# Altium PCB C210_220601.PcbDoc (part 4 of 7)
Units mm, origin at the board's own origin, x right, y up, seen from the top; angles counter-clockwise.
Board outline 68 x 129.5 mm, 6 copper layers (L1, L2, L3, L4, L5, L6), stack 1.64 mm thick; 493 components, 295 nets, 1739 pads, 1829 vias.
Unrouted connection lines stored in the file: 306.
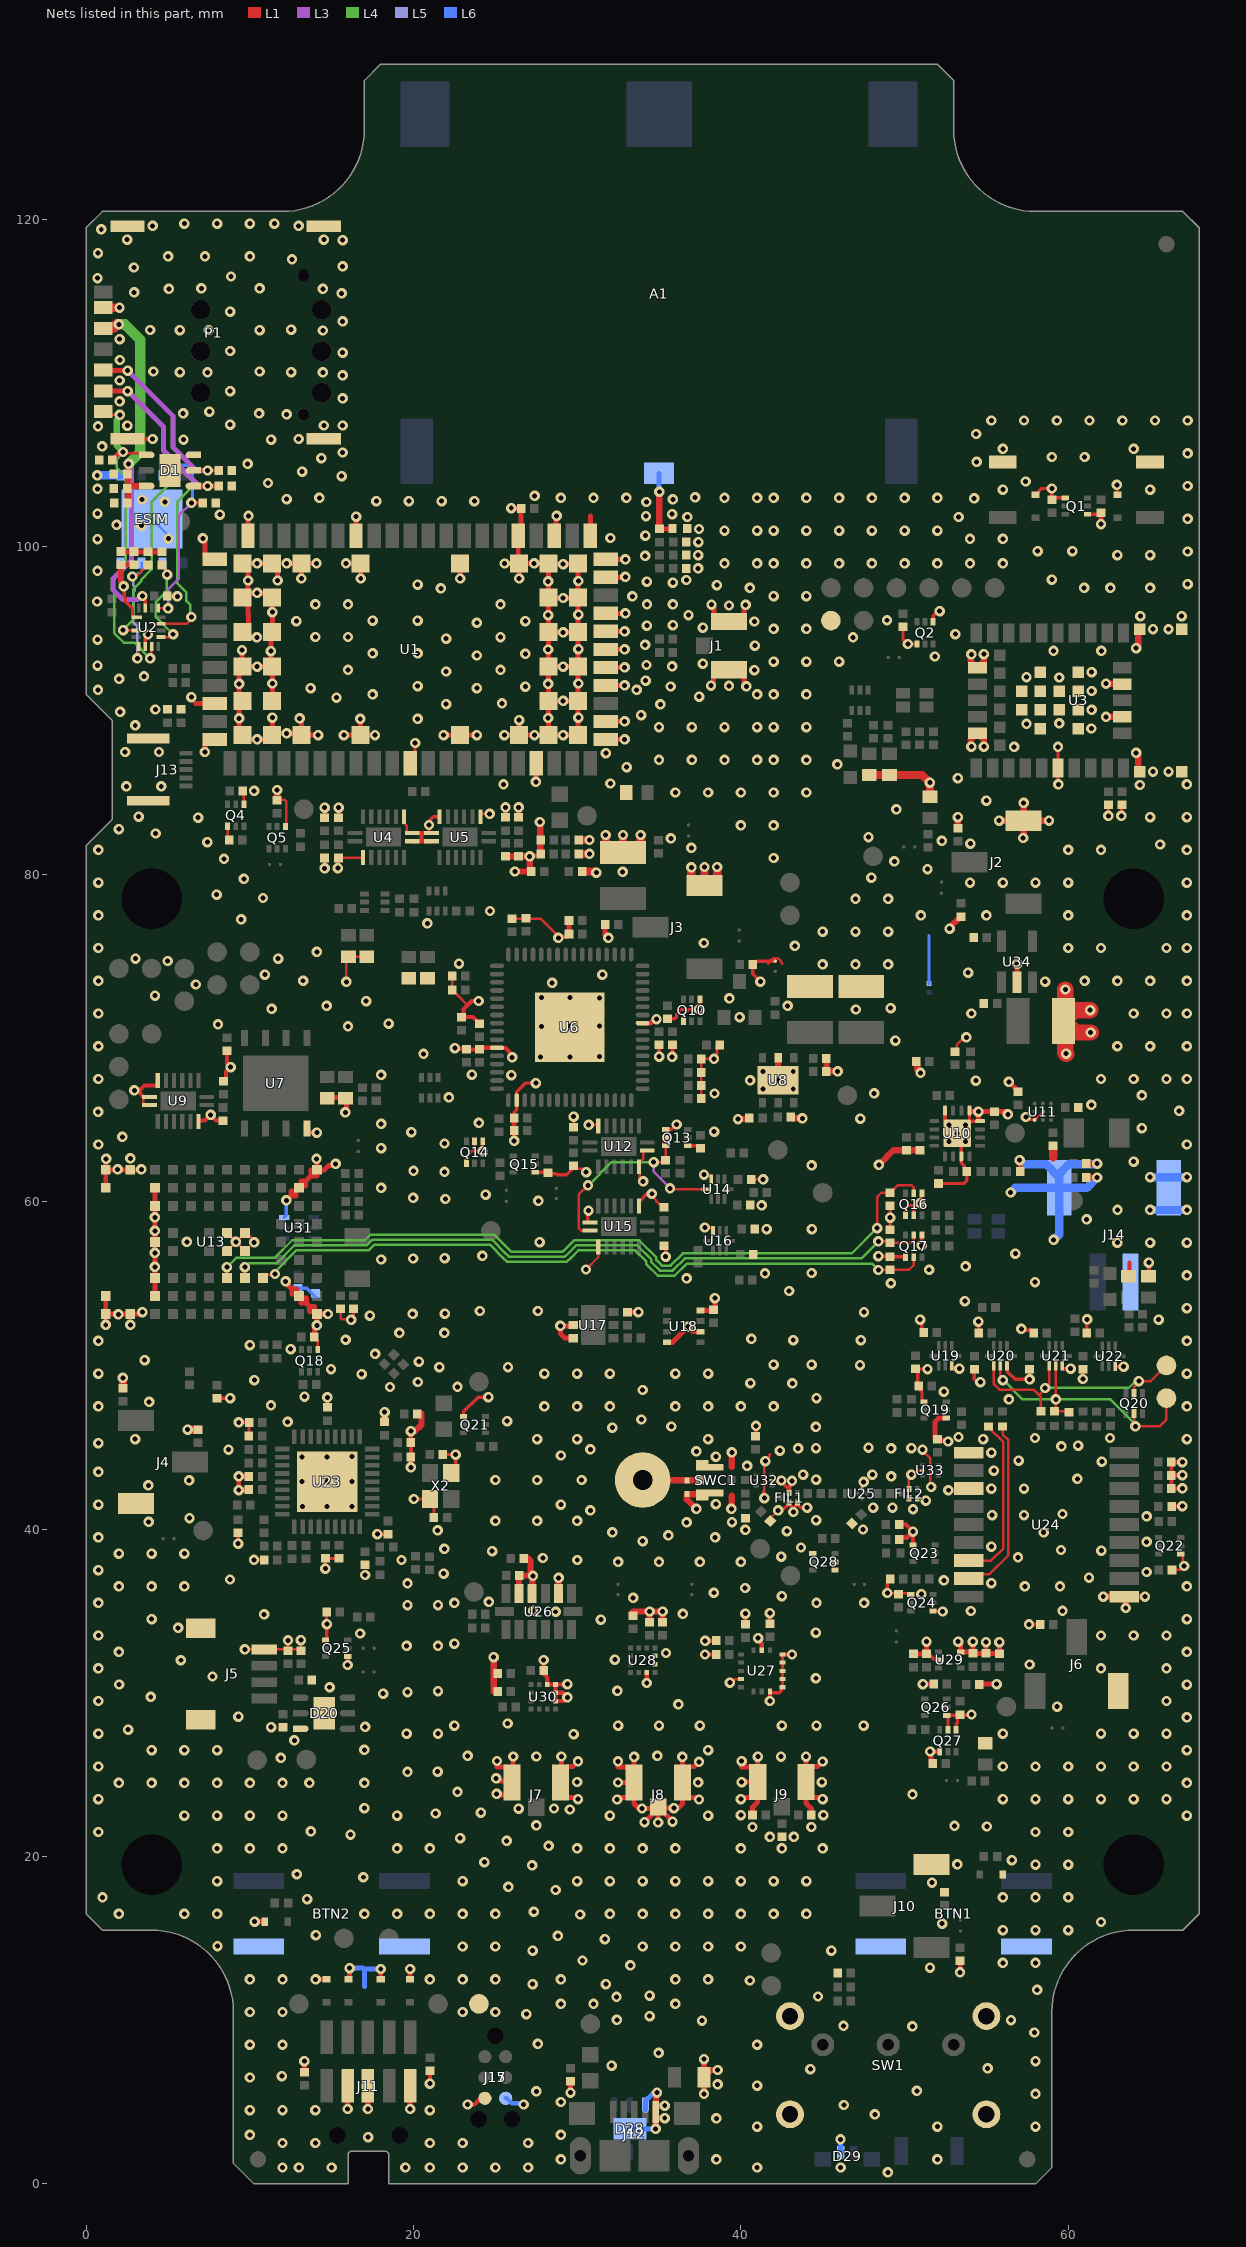
[diagram p8: the nets of this part, all layers, seen from the top]

## Via types
v1: diameter 0.635, hole 0.305, L1 to L6, tented both sides, 1829 vias

## Nets (pads, with @x,y where several pads share a name; then routed paths per layer and width w, separated by ;. In a path a pad name is that pad's centre, name@x,y a point inside that pad or via, vN(x,y) a via of type N, cw(c..) or ccw(c..) an arc to the next point about the centre after c; other vN are vias at no path point) (continued)
GND: BTN1.3 BTN1.4 BTN2.3 BTN2.4 BTN4.2 BTN5.2 C1.2 C2.2 C3.2 C4.2 C5.2 C6.2 C7.2 C8.1 C9.2 C10.2 C11.2 C12.2 C13.2 C14.1 C15.2 C16.2 C17.1 C18.1 C19.1 C20.2 C21.1 C22.1 C23.1 C24.2 C25.1 C26.1 C27.2 C28.2 C29.2 C30.2 C31.2 C32.2 C33.2 C34.2 C35.2 C36.2 C37.2 C38.1 C39.1 C40.1 C41.2 C42.2 C43.2 C44.2 C45.1 C46.2 C47.2 C48.1 C49.2 C50.2 C51.1 C52.2 C53.1 C54.2 C55.2 C56.1 C57.2 C58.2 C59.2 C60.2 C61.2 C62.1 C63.2 C64.2 C65.1 C66.1 C67.2 C68.1 C69.1 C70.1 C71.2 C72.1 C73.1 C74.1 C75.1 C76.1 C77.2 C78.1 C79.2 C80.2 C81.2 C82.2 C83.2 C84.2 C85.2 C86.2 C87.2 C88.2 C89.2 C90.2 C91.2 C92.2 C93.2 C94.1 C95.2 C96.1 C97.1 C100.2 C101.2 C102.2 C103.1 C104.2 C105.1 C106.1 C107.1 C108.2 C109.2 C110.2 C111.2 C112.1 C113.1 C114.1 C115.1 C116.2 C117.1 C118.2 C119.2 C120.2 C121.2 C122.1 C123.2 C124.2 C125.2 C126.2 C127.2 C128.2 C129.2 C130.2 C131.1 C132.1 C133.2 C134.1 C135.2 C136.2 C137.1 C138.1 C139.1 C140.1 C141.2 C142.2 D1.3 D1.EPAD D2.2 D3.2 D5.C D6.C D7.C D8.C D9.C D10.C D11.C D12.C D13.C D14.C D16.C D17.C D18.2 D20.3 D20.EPAD D21.C D22.2 D23.2 D24.2 D25.2 D26.2 D27.2 D28.3 D28.EPAD D29.2 ESIM.1 ESIM.EPAD FB10.2 FIL1.2 FIL1.3 FIL1.5 FIL2.2 FIL2.3 FIL2.5 J1.2 J2.1 J3.1 J4.1 J5.1 J5.M1 J5.M2 J6.1 J7.2 J8.1 J8.2 J9.2 J10.1 J11.3 J11.5 J11.9 J12.5 J13.0 J14.2 J14.MH1 J15.5 J17.5 NO1.2 P1.C5 P1.G1 P1.G2 P1.G3 P1.G4 Q1.1 Q1.4 Q2.1 Q2.4 Q4.1 Q4.4 Q5.1 Q10.1 Q10.4 Q13.1 Q13.4 Q14.1 Q14.2 Q14.4 Q15.1 Q16.1 Q16.4 Q16.5 Q17.1 Q17.4 Q18.1 Q19.1 Q19.4 Q21.1 Q22.1 Q23.1 Q24.1 Q24.4 Q25.1 Q25.4 Q26.1 Q27.1 Q27.4 Q27.5 Q28.1 Q28.4 Q28.5 R2.2 R3.2 R4.2 R16.2 R17.1 R19.2 R26.1 R27.1 R29.1 R30.1 R31.2 R34.2 R35.1 R36.1 R37.2 R40.1 R41.1 R42.1 R44.1 R46.2 R47.1 R54.1 R55.1 R60.1 R61.1 R65.1 R79.1 R82.2 R88.2 R89.1 R93.2 R98.2 R101.2 R105.2 R106.2 R107.2 R108.2 R110.2 R113.2 R115.2 R117.2 R119.1 R120.1 R121.1 R125.1 R129.1 RT1.2 STD1.1 STD2.1 STD3.1 STD4.1 SW1.4 SWC1.G TP8.1 TP50.1 U1.1 U1.3 U1.5 U1.14 U1.20 U1.22 U1.30 U1.32 U1.43 U1.50 U1.54 U1.55 U1.57 U1.58 U1.59 U1.60 U1.61 U1.63 U1.64 U1.65 U1.66 U1.67 U1.68 U1.69 U1.70 U1.71 U1.72 U1.73 U1.74 U1.75 U1.76 U1.77 U1.78 U1.79 U1.80 U1.81 U1.82 U1.83 U1.84 U1.85 U1.86 U1.87 U1.88 U1.89 U1.90 U1.91 U1.92 U1.93 U1.94 U1.95 U1.96 U2.6 U3.6 U3.12 U3.14 U3.26 U3.30 U3.37 U3.38 U3.39 U3.40 U3.41 U3.42 U3.43 U3.44 U3.45 U3.46 U3.47 U3.48 U3.EG U4.2 U4.8 U4.9 U4.10 U5.2 U5.7 U5.8 U5.9 U6.2 U6.25 U6.59 U6.EPAD U7.4 U8.2 U8.7 U9.7 U9.8 U9.9 U9.15 U10.4 U10.5 U10.8 U10.15 U10.EPAD U11.B2 U11.C1 U12.7 U12.8 U12.15 U13.A1 U13.A9 U13.B2 U13.B8 U13.E4 U13.E5 U13.F4 U13.F5 U13.K2 U13.K3 U13.K5 U13.K7 U13.K8 U13.L1 U13.L9 U13.M1 U13.M2 U13.M8 U13.M9 U14.4 U15.2 U15.8 U15.10 U16.4 U17.2 U17.3 U18.1 U18.5 U18.7 U19.4 U20.4 U21.4 U22.4 U23.37 U24.1 U24.10 U24.12 U25.3 U26.2 U26.4 U26.5 U27.4 U27.8 U27.9 U27.10 U27.11 U27.12 U27.13 U27.15 U28.2 U28.3 U28.12 U29.2 U29.5 U30.5 U30.6 U30.7 U30.8 U31.3 U32.2 U33.2 U34.2 X2.2 X2.4 Z2.1 Z3.1 Z5.2 Z6.2 | length 579.4
  L1 w0.15: v1(13.2,44.417) 14.72,42.897 v1(14.725,42.897) ; v1(13.206,41.378) v1(14.725,42.897) ; v1(16.25,41.378) 14.732,42.897 v1(14.725,42.897) ; v1(16.253,44.425) v1(14.725,42.897) ; U5.2@24.097,83.525 24.097,83.7 v1(24.647,83.7) ; v1(39.325,30.625) 39.421,30.625 39.637,30.84 U27.4@40.01,30.84
  L1 w0.152: U9.9@3.875,65.908 3.503,65.908 3.503,66.397 3.515,66.41 3.517,66.408 3.554,66.408 U9.8@3.875,66.408 ; U13.F5@8.6,57 9.146,57.546 v1(9.15,57.546) ; U13.F4@8.6,58.1 8.6,58.096 v1(9.15,57.546) ; Q4.1@8.642,82.931 8.642,82.2 R19.2@8.742,82.1 ; R16.2@9.565,85.106 9.642,85.029 Q4.4@9.642,84.281 ; v1(9.696,32.65) J5.1@10.875,32.65 C138.1@12.332,32.65 ; U13.E5@9.7,57 9.696,57 v1(9.15,57.546) ; v1(10.26,57.521) 10.26,57.646 10.028,57.878 9.922,57.878 U13.E4@9.7,58.1 9.7,58.096 v1(9.15,57.546) ; R17.1@11.672,84.525 11.714,84.567 12.121,84.567 12.221,84.467 12.221,82.974 Q5.1@12.172,82.925 ; C138.1@12.325,32.569 12.332,32.575 C138.1@12.332,32.65 ; v1(12.332,33.2) C138.1@12.332,32.65 ; v1(13.115,33.222) C115.1@13.115,32.569 13.033,32.65 C138.1@12.332,32.65 ; C76.1@13.95,51.738 14.15,51.538 Q18.1@14.15,50.971 ; v1(14.075,62.625) v1@14.1,62.6 ; C21.1@15.422,80.997 C21.1@15.425,81 15.45,81.025 U4.2@16.922,81.025 ; C69.1@15.55,53.45 15.55,52.902 15.639,52.812 16.171,52.812 v1(16.194,52.789) ; v1(15.9,73.429) 15.9,74.85 D12.C@16.025,74.975 D11.C@17.15,74.975 ; v1@16.219,52.812 16.242,52.789 16.293,52.789 16.34,52.836 C70.1@16.34,53.45 ; U4.10@19.422,83.525 19.422,83.146 19.588,82.98 19.588,82.557 19.62,82.525 U4.9@19.922,82.525 ; R30.1@22.375,73.799 22.375,72.935 22.712,72.598 22.712,72.591 23.301,72.002 ; Q14.4@23.231,62.351 23.227,62.355 23.227,62.767 23.536,63.076 23.731,63.076 ; Q14.2@23.731,63.701 23.731,63.076 ; v1(24.219,63.076) 24.213,63.082 23.737,63.082 23.731,63.076 ; v1@24.231,63.082 Q14.1@24.231,63.701 ; R26.1@26.005,77.3 27.765,77.3 28.849,76.217 v1(28.849,76.119) ; C59.2@29.789,62.204 29.972,62.02 30.342,62.02 v1@30.547,61.815 ; C51.1@29.789,64.552 v1@29.789,65.2 ; v1(30.536,55.859) 31.286,56.609 U15.10@31.286,57.242 ; v1(30.701,64.696) 31.237,64.696 31.286,64.647 U12.15@31.286,64.631 ; v1(34.025,61.25) 33.816,61.459 33.816,61.854 33.786,61.883 33.786,62.371 34.043,62.627 34.043,63.093 U12.8@34.075,63.125 ; v1(34.56,60.489) 34.56,60.358 34.825,60.093 34.825,60.052 35.024,59.853 35.108,59.853 35.292,59.669 C64.2@35.301,59.669 ; Q10.4@36.495,71.027 36.495,71.413 36.83,71.748 v1(37.417,71.748) 37.495,71.826 Q10.1@37.495,72.377 ; R46.2@37.376,63.423 R46.2@37.525,63.274 ; R42.1@37.575,66.3 R41.1@37.575,67.1 R40.1@37.575,67.908 R35.1@37.575,68.725 v1(38.358,68.725) ; v1(37.751,61.651) 37.751,61.6 38.175,61.6 38.2,61.575 U14.4@38.2,61.4 ; v1(37.8,58.425) 38.275,58.425 38.3,58.4 U16.4@38.3,58.225 ; C60.2@40.625,61.35 40.643,61.368 v1(41.356,61.368) ; 41.4,42.275 41.435,42.31 41.435,44.148 41.775,44.488 41.775,44.581 ; C92.2@41.793,40.503 41.793,40.663 v1(42.277,41.148) ; U32.2@41.92,42.983 41.922,42.982 42.463,42.982 v1(42.477,42.968) ; v1(48.95,36.1) 48.921,36.071 49.579,36.071 R107.2@49.625,36.025 49.671,36.071 50.322,36.071 Q24.1@50.388,36.004 ; FIL2.5@50.275,42.462 50.263,42.474 50.263,43.046 50.42,43.202 v1(50.42,43.333) 50.521,43.333 50.75,43.562 50.94,43.562 50.959,43.582 51.093,43.582 U33.2@51.094,43.583 ; v1(51.093,44.854) 51.093,44.79 51.575,44.308 51.575,43.665 51.607,43.633 ; 51.579,43.508 51.579,42.621 v1(51.625,42.575) ; Q24.4@51.738,35.004 52.288,35.004 v1(52.325,34.967) ; R37.2@53.221,69.025 R37.2@53.075,69.171 53.188,69.284 53.188,69.583 53.336,69.73 53.644,70.038 v1(53.775,70.038) ; v1(53.388,12.925) v1@53.4,12.937 ; v1(57.408,65.176) 57.408,65.075 57.465,65.018 57.932,65.018 U11.C1@57.95,65 57.95,65.003 58.447,65.5 U11.B2@58.45,65.5 ; R105.2@66.338,37.504 66.829,37.504 v1(67.075,37.75) 67,37.825 67,38.342 Q22.1@66.863,38.479
  L1 w0.203: U2.6@3.611,93.925 3.611,94.486 v1(3.779,94.654) ; C13.2@4.961,97 4.968,96.993 5.569,96.993 v1(5.575,96.986) ; R79.1@8.011,48 v1(8.802,48) ; v1(9.289,39.118) R93.2@9.289,39.788 ; v1(9.325,46.52) C85.2@9.956,46.52 9.95,46.514 R88.2@9.95,45.682 ; v1(10.254,38.122) R98.2@10.875,38.122 ; C131.1@13.335,6.84 C131.1@13.35,6.825 ; v1(14.575,80.371) C20.2@14.576,81 ; C18.1@14.576,83.456 v1(14.576,84.075) ; v1(14.61,37.582) C108.2@14.61,38.207 R106.2@15.453,38.207 ; Q25.4@14.625,33.225 14.71,33.31 v1(14.71,34.2) 14.686,34.224 R110.2@14.686,34.925 ; v1(15.375,80.375) 15.4,80.4 15.4,80.975 C21.1@15.422,80.997 ; C14.1@15.425,83.456 v1(15.425,84.075) ; v1(15.975,31.7) Q25.1@15.975,32.225 ; v1(17.796,39.697) C101.2@18.429,39.697 ; U1.43@19.8,86.8 20.097,87.097 v1(20.097,88.025) ; U4.8@19.922,82.025 U4.8@20.072,82.025 ; v1(20.028,41.84) X2.4@21.012,41.84 21.25,41.601 C102.2@21.25,40.719 ; U5.8@21.097,82.525 20.947,82.525 v1(20.947,83.015) 20.947,83.25 21.222,83.525 U5.7@21.597,83.525 ; C88.2@21.782,44.558 22.567,44.558 v1(22.575,44.55) 22.575,43.703 X2.2@22.312,43.44 ; Q21.1@23.053,46.888 23.053,47.17 23.943,48.061 v1(24.575,48.061) ; C50.2@26.15,65.108 26.15,65.473 26.3,65.623 U6.2@26.3,66.208 26.3,66.728 26.822,67.25 v1(27.476,67.25) ; C49.2@26.154,64.353 C49.2@26.156,64.35 ; Q15.1@27.447,61.804 28.199,61.804 28.244,61.849 R47.1@28.298,61.794 ; R47.1@28.298,61.72 28.7,61.72 28.77,61.651 29.348,61.651 29.789,62.092 C59.2@29.789,62.204 ; U15.8@30.64,58.77 30.64,59.408 v1(30.691,59.459) ; U15.2@33.786,59.742 33.786,60.013 34.262,60.489 v1(34.56,60.489) ; U12.8@34.286,63.131 U12.8@34.486,63.131 ; C66.1@35.301,57.304 35.403,57.201 v1(35.403,56.642) ; Q13.4@35.4,64.423 35.774,64.423 v1(36.073,64.722) ; R31.2@35.683,71.017 R31.2@35.525,71.175 35.947,71.175 36.073,71.3 36.073,71.453 36.368,71.748 36.83,71.748 ; Q13.1@36.75,63.423 R46.2@37.376,63.423 ; v1(38.358,68.725) 38.358,68.842 38.542,69.025 38.542,69.424 R34.2@38.7,69.583 ; R129.1@40.912,45.688 v1@40.912,46.292 ; v1(41.19,73.45) 40.725,73.915 C36.2@40.725,74.488 40.937,74.7 41.747,74.7 NO1.2@42.1,74.7 ; 41.4,42.275 41.4,41.926 v1(41.432,41.895) ; U27.8@41.775,30.075 41.775,30.025 41.798,30.002 42.348,30.002 42.467,30.121 42.467,30.317 42.49,30.34 U27.9@42.54,30.34 U27.10@42.54,30.84 U27.11@42.54,31.34 U27.13@42.54,32.34 ; v1(42.277,41.148) 42.532,41.148 42.95,41.565 FIL1.2@42.95,41.637 42.95,41.531 43.21,41.271 v1@43.21,41.268 ; v1(42.477,42.968) 42.696,42.661 ccw(c42.862,42.779) 42.718,42.636 42.944,42.409 ; v1(43.21,41.047) v1@43.21,41.268 ; FIL1.3@43.45,41.637 FIL1.3@43.45,41.508 ; v1(44.049,41.309) 43.648,41.309 FIL1.3@43.45,41.508 ; U25.3@47.411,42.447 47.411,42.679 47.506,42.774 v1(47.506,42.891) ; v1(48.404,56.675) 48.416,56.663 49.113,56.663 49.125,56.675 49.165,56.635 50.048,56.635 Q17.4@50.063,56.62 ; v1(48.95,36.1) 48.95,36.662 48.955,36.667 48.955,36.796 R108.2@49.113,36.954 R108.2@49.096,36.972 ; R61.1@49.125,58.3 R60.1@49.125,59.75 ; R4.2@49.9,95.1 49.9,94.374 v1(50.199,94.075) Q2.4@50.75,94.075 ; Q16.4@50.063,59.175 50.063,59.638 50.2,59.775 50.563,59.775 ; Q16.5@50.563,59.175 50.563,59.775 ; v1(50.95,52.797) 51.011,52.736 51.048,52.736 51.048,52.1 C74.1@51.143,52.004 ; v1(50.957,59.899) 51.015,59.956 51.015,60.477 Q16.1@51.063,60.525 ; v1@50.972,59.884 50.863,59.775 50.563,59.775 ; v1(51.045,57.332) 51.054,57.341 51.054,57.961 Q17.1@51.063,57.97 ; Q19.1@51.188,47.779 51.063,47.904 51.063,48.395 50.863,48.595 R82.2@50.863,48.749 50.813,48.799 50.813,49.786 50.819,49.78 51.398,49.78 v1(51.404,49.773) ; C120.2@51.35,32.375 51.5,32.225 51.622,32.225 51.797,32.05 52.031,32.05 U29.2@52.075,32.006 ; Q2.1@51.75,95.425 51.75,95.812 52.013,96.075 v1(52.146,96.075) ; C61.2@52.065,61.115 53.628,61.115 53.79,61.276 R55.1@53.79,61.863 53.65,62.002 53.65,62.209 53.468,62.391 U10.15@53.468,62.773 53.468,63.923 v1(53.218,64.173) ; Q27.5@52.65,27.75 52.65,28.55 Q26.1@52.575,28.625 R115.2@53.343,28.625 ; Q27.4@53.15,27.75 53.15,28.114 53.237,28.201 53.237,28.518 R115.2@53.343,28.625 ; v1(53.35,49.8) 53.336,49.786 v1@53.16,49.786 ; R115.2@53.393,28.675 R115.2@53.343,28.625 ; v1(53.725,64.675) U10.EPAD@53.968,64.918 ; U10.5@54.041,65.5 U10.5@53.968,65.573 U10.EPAD@53.968,64.918 ; v1(54.088,28.675) 54.038,28.625 R115.2@53.343,28.625 ; C79.2@54.261,49.779 54.261,49.154 54.44,48.975 v1(54.626,48.975) ; C78.1@54.511,52.004 54.524,52.018 54.524,52.663 v1(54.511,52.677) ; U10.4@54.511,65.031 U10.4@54.618,64.923 53.973,64.923 U10.EPAD@53.968,64.918 ; U20.4@56.256,49.979 56.256,49.658 56.759,49.154 v1(57.643,49.154) C80.2@57.643,49.779 ; v1(57.129,52.237) 57.212,52.155 57.743,52.155 C75.1@57.888,52.01 ; D2.2@58,103.2 58.375,103.575 v1(59,103.575) R2.2@59,102.9 59.1,103 Q1.4@59.825,103 ; v1(59.375,87.796) 59.375,85.525 v1(59.4,85.5) ; U21.4@59.638,49.979 59.638,49.859 59.693,49.804 v1(60.143,49.804) ; C81.2@60.888,49.761 60.888,49.179 v1(60.895,49.173) ; C73.1@61.138,51.986 61.138,52.754 61.179,52.796 v1(61.156,52.819) ; Q1.1@61.175,102 61.9,102 R3.2@62,102.1 ; v1(62.45,83.575) C17.1@62.45,84.25 ; U22.4@62.883,49.961 62.883,49.925 v1(63.388,49.925) ; v1(62.975,103.8) 62.975,103.225 D3.2@63,103.2 ; v1(63.25,83.575) 63.275,83.575 C16.2@63.275,84.25 ; v1@43.21,41.268 FIL1.3@43.45,41.508 ; v1@53.16,49.786 53.078,49.869 52.897,49.869 52.979,49.786 v1@53.16,49.786
  L1 w0.254: P1.G1@2.525,106.6 v1(4.062,106.6) ; v1(2.949,66.8) 3.095,66.8 3.164,66.731 3.194,66.731 3.515,66.41 3.552,66.41 U9.8@3.554,66.408 ; v1@3.125,66.8 3.263,66.8 3.563,67.1 4.309,67.1 4.375,67.166 U9.7@4.375,67.408 ; v1@4.02,106.6 v1@4.093,106.527 ; U9.15@6.875,64.908 6.925,64.958 7.258,64.958 v1@7.6,65.3 ; v1(7.608,65.308) 7.608,65.292 7.942,64.958 C48.1@8.375,64.958 ; C46.2@8.399,67.358 8.55,67.509 8.55,67.95 v1(8.825,68.225) 8.6,68.45 C39.1@8.6,69.225 ; U7.4@13.49,64.475 13.49,64.145 13.566,64.221 v1(14.097,64.221) ; C83.2@14.739,47.434 14.732,47.441 14.739,47.448 v1(14.739,48.05) ; v1(19.836,45.982) 19.837,45.981 19.837,45.298 R89.1@19.839,45.297 19.839,44.426 C90.2@19.83,44.417 19.834,44.412 19.834,43.778 v1(19.839,43.774) ; U4.8@19.922,82.025 20.497,82.025 ; U4.9@19.922,82.525 20.497,82.525 ; U5.8@20.947,82.525 20.497,82.525 ; v1(21,6.125) C137.1@21,6.9 ; U5.9@21.097,82.025 20.497,82.025 ; v1(22.531,69.386) 22.571,69.347 23.19,69.347 23.225,69.312 C44.2@24.025,69.312 24.121,69.408 U6.59@25.1,69.408 25.105,69.403 25.62,69.403 25.868,69.154 25.868,69.085 26.025,68.929 v1(26.025,68.825) ; v1(23.314,4.85) 23.717,4.85 24.097,5.23 J15.5@24.365,5.23 ; 23.561,72.263 23.301,72.002 23.065,71.767 23.065,71.405 23.061,71.4 23.178,71.283 23.625,71.283 C40.1@24.025,70.883 ; 23.658,72.263 v1(23.986,72.263) ; C29.2@26.95,80.175 26.875,80.175 C29.2@27.097,80.397 ; v1(27.097,81.1) 27.147,81.15 27.65,81.15 C30.2@27.75,81.25 ; v1(27.722,83.2) v1@27.75,83.172 ; v1(27.95,32.006) C125.2@27.95,31.35 27.95,31.15 28.175,30.925 U30.8@28.175,30.5 U30.7@28.675,30.5 ; v1(28.849,76.119) 28.922,76.192 29.335,76.192 C33.2@29.5,76.358 ; v1(29.4,30.525) 29.375,30.5 U30.7@28.675,30.5 ; v1(34.25,30.599) U28.12@34.25,31.25 ; v1(35.003,68.864) C42.2@35.003,69.583 ; v1(35.8,68.85) 35.828,68.878 C41.2@35.828,69.583 ; v1(37.81,32.339) 37.816,32.344 38.485,32.344 C127.2@38.491,32.35 ; v1(37.822,33.172) 37.827,33.177 38.486,33.177 C116.2@38.491,33.182 ; C141.2@40.275,34.179 v1(40.275,34.833) ; v1(41.056,33.339) 41.056,33.236 41.275,33.016 U27.15@41.275,32.605 ; v1(41.775,29.5) U27.8@41.775,30.075 ; C118.2@41.775,34.217 v1(41.775,34.866) ; U27.13@42.54,32.34 v1(43.121,32.34) ; FIL1.5@42.953,42.212 42.953,42.583 43.121,42.751 v1(43.121,42.95) ; C107.1@49.662,40.279 50.088,40.279 50.513,39.854 v1(50.513,39.85) Q23.1@50.513,39.029 ; v1(51.122,30.525) R113.2@51.775,30.525 ; U10.8@52.468,65.573 52.468,65.025 52.725,64.768 v1(52.725,64.675) ; v1@53.4,12.937 C130.2@53.4,13.628 ; v1(57.029,62.541) 57.065,62.505 R54.1@57.065,61.917 ; v1(57.6,34.179) C117.1@58.288,34.179 ; D17.C@63.75,55.421 63.75,56.275 ; v1(64.925,56.275) 64.925,55.454 D16.C@64.958,55.421 ; C105.1@66.313,41.379 66.953,41.379 v1(66.975,41.401) ; v1(66.975,42.49) C100.2@66.301,42.49 C96.1@66.301,43.29 ; v1(66.975,43.294) 66.306,43.294 C96.1@66.301,43.29 ; v1(66.975,44.09) C97.1@66.301,44.09 C96.1@66.301,43.29 ; 20.497,82.025 20.497,82.525 ; U30.6@28.675,30 U30.5@28.675,29.5 29.174,29.5 v1(29.4,29.726) 29.125,30 U30.6@28.675,30 ; U30.6@28.675,30 U30.7@28.675,30.5
  L1 w0.3: C49.2@26.15,64.283 C50.2@26.15,65.108 ; v1(26.153,63.725) 26.154,63.726 C49.2@26.154,64.353 ; U6.25@34,70.908 34.482,70.908 34.729,71.154 v1(34.846,71.154)
  L1 w0.305: v1(1.2,52.475) U13.M8@1.2,54.25 ; U13.M9@1.2,53.15 3.33,53.15 v1(3.43,53.25) ; U13.M2@1.2,60.85 U13.M1@1.2,61.95 ; v1(1.225,62.625) 1.2,62.6 U13.M1@1.2,61.95 ; C9.2@2.125,99.725 2.15,99.7 C12.2@4.625,99.7 ; v1(3.375,61.975) 3.35,61.95 U13.M1@1.2,61.95 ; U13.K8@4.2,54.25 U13.K7@4.2,55.35 U13.K5@4.2,57.55 U13.K3@4.2,59.75 U13.K2@4.2,60.85 ; 6.681,90.447 6.697,90.447 6.701,90.45 U1.30@7.85,90.45 ; v1(7.126,100.524) 7.126,100.434 7.252,100.308 7.252,99.498 7.5,99.25 U1.22@7.85,99.25 ; v1(7.25,87.475) 7.252,87.477 7.252,88.002 7.5,88.25 U1.32@7.85,88.25 ; v1@9.522,93.672 9.522,92.714 9.55,92.686 9.557,92.693 v1(10.454,92.693) ; U1.94@9.55,92.7 9.35,92.5 v1(9.35,91.636) 9.35,90.8 U1.95@9.55,90.6 9.35,90.4 v1(9.35,89.535) 9.35,88.7 9.85,88.2 9.9,88.25 11,88.25 11.05,88.2 U1.90@11.462,88.612 ; U1.91@9.55,99 9.9,98.65 9.9,97.25 U1.92@9.8,97.15 ; U1.91@9.575,98.975 9.6,99 v1(10.447,99) 11.3,99 U1.85@11.35,98.95 ; U1.20@9.9,100.7 9.9,101.878 v1(9.922,101.9) ; C91.2@9.95,42.423 9.365,42.423 v1(9.325,42.383) v1(9.325,43.222) C89.2@9.95,43.222 ; v1(10.293,16.018) D23.2@10.914,16.018 ; v1(10.432,94.481) 9.869,94.481 U1.93@9.55,94.8 9.925,95.175 9.925,95.85 9.9,95.875 9.9,96.55 U1.92@9.55,96.9 U1.92@9.8,97.15 ; v1@10.454,92.686 11.35,92.686 11.375,92.661 11.375,91.686 11.35,91.661 11.375,91.636 11.375,90.625 U1.89@11.35,90.6 ; U1.88@11.35,92.7 11.281,92.769 v1(11.281,93.631) 11.281,94.731 U1.87@11.35,94.8 11.375,94.825 11.375,95.975 11.414,96.014 11.35,96.079 U1.86@11.35,96.85 ; U1.86@11.35,96.9 11.1,97.15 10.504,97.15 v1(10.454,97.2) 10.454,97.15 U1.92@9.8,97.15 ; U1.85@11.35,99 11.7,98.65 v1(11.7,97.95) ; v1(11.375,89.575) 11.375,88.7 U1.90@11.462,88.612 ; v1(11.375,96.014) v1@11.395,95.995 ; v1(12.185,55.132) 12.185,55.065 12.575,54.675 ; v1(12.231,60.081) 12.507,60.357 ; v1(12.247,99) v1(14.072,99) U1.83@13.15,99 v1(13.15,98.075) ; v1(13.05,89.535) 13.15,89.435 U1.84@13.15,88.5 ; C131.1@13.335,6.84 v1(13.335,7.495) ; C76.1@13.95,51.738 13.95,52.3 v1(14.1,52.45) U13.A9@14.1,53.15 ; v1(14.025,12.491) D24.2@14.686,12.491 ; v1@14.1,62.6 U13.A1@14.1,61.95 ; v1(14.172,88.5) U1.84@13.15,88.5 ; v1(14.774,53.14) 14.769,53.145 14.105,53.145 U13.A9@14.1,53.15 ; D14.C@14.8,66.375 15.9,66.375 15.9,65.519 v1(15.842,65.462) ; v1(15.24,62.317) 15.24,62.2 14.804,62.2 14.554,61.95 U13.A1@14.1,61.95 ; v1(15.747,88.5) U1.82@16.75,88.5 ; v1(15.875,99) U1.81@16.75,99 ; v1(15.98,4.575) J11.3@15.98,6 ; D25.2@16.025,12.491 16.096,12.562 v1(16.096,13.175) ; U1.14@16.5,100.7 v1@16.5,101.853 ; v1(16.747,89.5) 16.75,89.497 U1.82@16.75,88.5 ; v1(16.778,98.075) U1.81@16.778,99 ; v1(17.21,4.575) J11.5@17.21,6 ; v1(17.651,88.5) U1.82@16.75,88.5 ; D26.2@18,12.491 v1(18,13.125) ; v1(19.79,4.575) J11.9@19.79,6 ; D27.2@19.79,12.491 v1(19.79,13.125) ; v1(21.847,88.5) U1.80@22.85,88.5 v1(23.872,88.5) ; v1(22.85,98.075) U1.79@22.85,99 ; v1(25.047,24.775) 25.039,24.767 25.206,24.6 25.934,24.6 J7.2@26.025,24.509 25.675,24.158 25.675,23.75 25.15,23.75 v1(25.075,23.825) ; v1(25.103,25.832) 25.103,25.482 25.728,25.482 J7.2@26.083,25.127 ; v1(25.547,88.5) v1(27.395,88.5) U1.78@26.45,88.5 v1(26.45,89.425) ; v1(25.571,98.992) 26.442,98.992 U1.77@26.45,99 ; C15.2@25.622,83.475 v1(25.622,84.1) ; v1(25.972,102.371) 25.983,102.361 26.562,102.361 C8.1@26.572,102.35 26.572,100.872 U1.5@26.4,100.7 26.4,99.05 U1.77@26.45,99 ; J7.2@26.083,23.918 J7.2@26.083,25.127 ; v1(26.094,26.109) 26.083,26.098 J7.2@26.083,25.127 ; v1(26.42,84.097) 26.421,84.096 26.421,83.476 C19.1@26.422,83.475 ; v1(26.45,98.075) U1.77@26.45,99 ; v1(27.372,99) U1.77@26.45,99 ; v1(27.475,85.65) 27.487,85.662 27.487,86.787 U1.50@27.5,86.8 ; v1@28.25,91.636 U1.74@28.25,92.686 ; v1@28.25,97.9 U1.71@28.25,98.95 ; U1.3@28.6,100.7 28.7,100.8 28.7,101.853 v1(28.747,101.9) ; v1(29.033,26.109) J7.2@29.033,25.112 ; v1(29.147,88.5) U1.70@30.05,88.5 ; v1(29.147,90.6) U1.69@30.05,90.6 ; v1(29.147,92.686) U1.68@30.05,92.686 ; v1(29.147,94.786) U1.67@30.05,94.786 ; v1(29.147,96.886) U1.66@30.05,96.886 ; v1(29.147,98.95) U1.65@30.05,98.95 ; C33.2@29.5,76.358 C32.2@29.5,77.183 ; C132.1@29.587,6.267 29.587,5.578 v1(29.594,5.571) ; U17.3@29.755,51.663 29.259,51.663 28.975,51.948 v1(28.975,52.419) 29.71,52.419 U17.2@29.755,52.463 ; v1@30.05,91.661 U1.68@30.05,92.686 ; v1@30.05,97.925 U1.65@30.05,98.95 ; v1(30.053,23.507) 29.946,23.614 29.359,23.614 29.033,23.94 J7.2@29.033,25.112 ; v1(30.053,25.809) 29.751,25.507 29.428,25.507 J7.2@29.033,25.112 ; U1.1@30.8,100.7 30.8,101.897 ; C34.2@31.701,76.931 31.701,76.304 31.886,76.119 v1(31.903,76.119) ; U1.54@31.75,88.25 v1(32.903,88.25) ; U1.55@31.75,89.35 v1(32.903,89.35) ; U1.57@31.75,91.55 v1(32.903,91.55) ; U1.58@31.75,92.65 v1(32.903,92.65) ; U1.59@31.75,93.75 v1(32.903,93.75) ; U1.60@31.75,94.85 v1(32.903,94.85) ; U1.61@31.75,95.95 v1(32.947,95.95) ; U1.63@31.75,98.15 32.922,98.15 v1(32.947,98.175) ; U1.64@31.75,99.25 v1(32.947,99.25) ; v1(32.445,23.484) 32.552,23.591 33.171,23.591 J8.2@33.475,23.895 ; v1(32.495,24.521) 32.5,24.527 J8.2@33.475,24.527 ; v1(32.495,25.809) 32.495,25.459 33.12,25.459 J8.2@33.475,25.104 ; C71.2@33.089,53.263 33.734,53.263 v1(33.734,53.25) ; v1(33.486,26.086) 33.475,26.075 J8.2@33.475,25.104 ; v1(34.111,22.099) J8.1@34.95,22.938 ; v1(34.95,22.075) J8.1@34.95,22.938 ; U18.1@35.481,51.413 35.822,51.413 v1(36.773,52.364) 36.773,52.35 37.06,52.063 U18.7@37.531,52.063 ; v1(35.826,22.125) 35.826,22.151 J8.1@35.02,22.957 ; v1(36.425,26.086) J8.2@36.425,25.088 ; v1(37.445,23.484) 37.338,23.591 36.751,23.591 J8.2@36.425,23.917 ; v1(37.445,25.786) 37.143,25.484 36.82,25.484 J8.2@36.425,25.088 ; U18.5@37.531,53.363 38.268,53.363 C72.1@38.321,53.417 38.414,53.51 v1(38.414,54.116) ; v1(38.174,91.525) 38.34,91.69 38.34,92.221 38.619,92.5 J1.2@39.275,92.5 39.876,92.5 40.186,92.19 40.186,91.638 v1(40.334,91.49) ; v1(38.206,96.475) 38.362,96.319 38.362,95.836 38.748,95.45 J1.2@39.275,95.45 39.914,95.45 40.186,95.722 40.186,96.359 v1(40.295,96.468) ; v1(40,23.5) 40.107,23.607 40.726,23.607 J9.2@41.03,23.911 ; v1(40.05,24.538) 40.055,24.543 J9.2@41.03,24.543 ; v1(40.05,25.825) 40.05,25.475 40.675,25.475 J9.2@41.03,25.12 ; R119.1@40.71,22.526 40.71,23.012 41.03,23.332 J9.2@41.03,23.911 ; R129.1@40.9,45.675 R129.1@40.912,45.688 ; v1@40.912,46.292 v1(40.925,46.304) ; v1(41.041,26.102) 41.03,26.091 J9.2@41.03,25.12 ; v1(43.98,26.102) J9.2@43.98,25.105 ; R121.1@44.305,22.526 44.305,22.935 43.98,23.26 J9.2@43.98,23.933 ; v1(45,23.5) 44.893,23.607 44.306,23.607 J9.2@43.98,23.933 ; v1(45,25.802) 44.698,25.5 44.375,25.5 J9.2@43.98,25.105 ; C106.1@49.676,39.352 49.804,39.479 50.142,39.479 v1(50.513,39.85) ; C119.2@50.55,32.375 C120.2@51.35,32.375 51.338,32.387 v1(51.338,33.125) ; v1(51.563,26.416) v1@51.579,26.4 ; R117.2@51.725,25.675 51.622,25.778 51.622,26.357 v1@51.579,26.4 ; Q27.1@52.15,26.4 v1@51.579,26.4 ; Q19.4@52.538,46.779 52.079,46.779 51.85,46.55 51.85,45.5 51.933,45.417 52.605,45.417 v1(52.668,45.353) ; v1@53.025,21.85 v1(53.05,21.875) ; v1(53.275,33.125) 53.425,32.975 U29.5@53.425,32.506 54.075,32.506 C122.1@54.175,32.406 ; U10.5@54.041,65.5 v1(54.511,65.5) ; v1(54.175,33.125) C122.1@54.175,32.406 ; U10.4@54.511,65.031 v1(54.511,65.5) ; C128.2@54.825,30.5 54.85,30.525 v1(55.625,30.525) ; v1(54.975,33.1) C121.2@54.975,32.406 ; v1(55.788,33.1) 55.788,32.412 C123.2@55.794,32.406 ; C123.2@55.8,32.4 C123.2@55.794,32.406 ; v1(56.306,65.345) 56.337,65.376 56.213,65.5 55.503,65.5 C55.2@55.493,65.49 55.483,65.5 v1(54.511,65.5) ; v1(56.375,67.328) 56.925,66.778 R44.1@56.925,66.725 ; U34.2@56.875,73.408 v1(56.875,74.545) ; v1(62,101.4) R3.2@62,102.1 ; U1.90@11.462,88.612 v1(12.247,88.612) 13.038,88.612 U1.84@13.15,88.5 ; 12.507,60.357 12.507,60.654 U13.B2@12.804,60.654 ; 12.507,60.357 U13.B2@12.804,60.654 ; 12.507,60.357 12.511,60.352 12.814,60.352 12.818,60.356 U13.B2@12.818,60.668 ; 12.575,54.675 12.877,54.675 U13.B8@12.877,54.373 ; 12.575,54.675 U13.B8@12.877,54.373 ; 12.575,54.675 12.575,54.365 U13.B8@12.885,54.365 ; U13.B2@12.804,60.654 U13.B2@13,60.85 ; U13.B2@12.804,60.654 U13.B2@12.818,60.668 ; U13.B2@12.818,60.668 U13.B2@13,60.85 ; U13.B8@12.877,54.373 U13.B8@12.885,54.365 ; U13.B8@12.885,54.365 U13.B8@13,54.25 U13.B8@13.127,54.123 ; U13.B2@13,60.85 U13.B2@13.125,60.975 ; U13.B2@13.125,60.975 13.413,60.975 13.413,61.263 ; U13.B2@13.125,60.975 U13.B2@13.127,60.977 ; U13.B8@13.127,54.123 13.452,54.123 13.452,53.828 13.437,53.813 ; U13.B8@13.127,54.123 U13.B8@13.142,54.108 ; U13.B2@13.127,60.977 13.127,61.263 13.413,61.263 ; U13.B2@13.127,60.977 13.413,61.263 ; U13.B8@13.142,54.108 13.142,53.813 13.437,53.813 ; U13.B8@13.142,54.108 13.437,53.813 ; 13.413,61.263 13.75,61.6 ; 13.437,53.813 13.653,53.597 ; 13.653,53.597 13.968,53.597 13.968,53.295 U13.A9@13.962,53.288 ; 13.653,53.597 U13.A9@13.962,53.288 ; 13.653,53.597 13.653,53.282 13.955,53.282 U13.A9@13.962,53.288 ; 13.75,61.6 13.75,61.927 U13.A1@14.077,61.927 ; 13.75,61.6 U13.A1@14.077,61.927 ; 13.75,61.6 13.778,61.572 14.1,61.572 U13.A1@14.1,61.95 ; U13.A9@13.962,53.288 U13.A9@14.1,53.15 ; U13.A1@14.077,61.927 U13.A1@14.1,61.95 ; U1.74@28.25,92.686 U1.75@28.25,90.6 U1.69@30.05,90.6 ; U1.74@28.25,92.686 U1.73@28.25,94.786 ; U1.74@28.25,92.686 U1.68@30.05,92.686 ; U1.74@28.25,92.686 U1.76@28.25,88.5 U1.70@30.05,88.5 ; U1.73@28.25,94.786 U1.67@30.05,94.786 ; U1.73@28.25,94.786 U1.71@28.25,98.95 ; U1.71@28.25,98.95 28.25,96.886 U1.66@30.05,96.886 ; U1.71@28.25,98.95 U1.65@30.05,98.95 ; U1.70@30.05,88.5 U1.68@30.05,92.686 ; U1.69@30.05,90.6 U1.68@30.05,92.686 ; U1.68@30.05,92.686 U1.67@30.05,94.786 ; U1.67@30.05,94.786 U1.65@30.05,98.95 ; U1.66@30.05,96.886 U1.65@30.05,98.95 ; J8.2@33.475,23.895 33.475,23.233 33.773,22.935 v1(33.96,22.935) 34.858,22.935 J8.1@34.95,23.027 ; J8.2@33.475,23.895 J8.2@33.475,24.527 ; J8.2@33.475,24.527 J8.2@33.475,25.104 ; J8.1@34.95,22.938 J8.1@34.95,23.027 ; J8.1@34.95,23.027 J8.1@35.02,22.957 ; J8.1@35.02,22.957 v1(35.904,22.957) 36.181,22.957 36.425,23.201 J8.2@36.425,23.917 ; J8.2@36.425,23.917 J8.2@36.425,24.527 J8.2@36.425,25.088 ; J9.2@41.03,23.911 J9.2@41.03,24.543 ; J9.2@41.03,24.543 J9.2@41.03,25.12 ; J9.2@43.98,23.933 J9.2@43.98,24.543 J9.2@43.98,25.105 ; C122.1@54.175,32.406 C121.2@54.975,32.406 ; C121.2@54.975,32.406 C123.2@55.794,32.406